# Altium PCB RYA_KiteUp_RC.PcbDoc (continued)
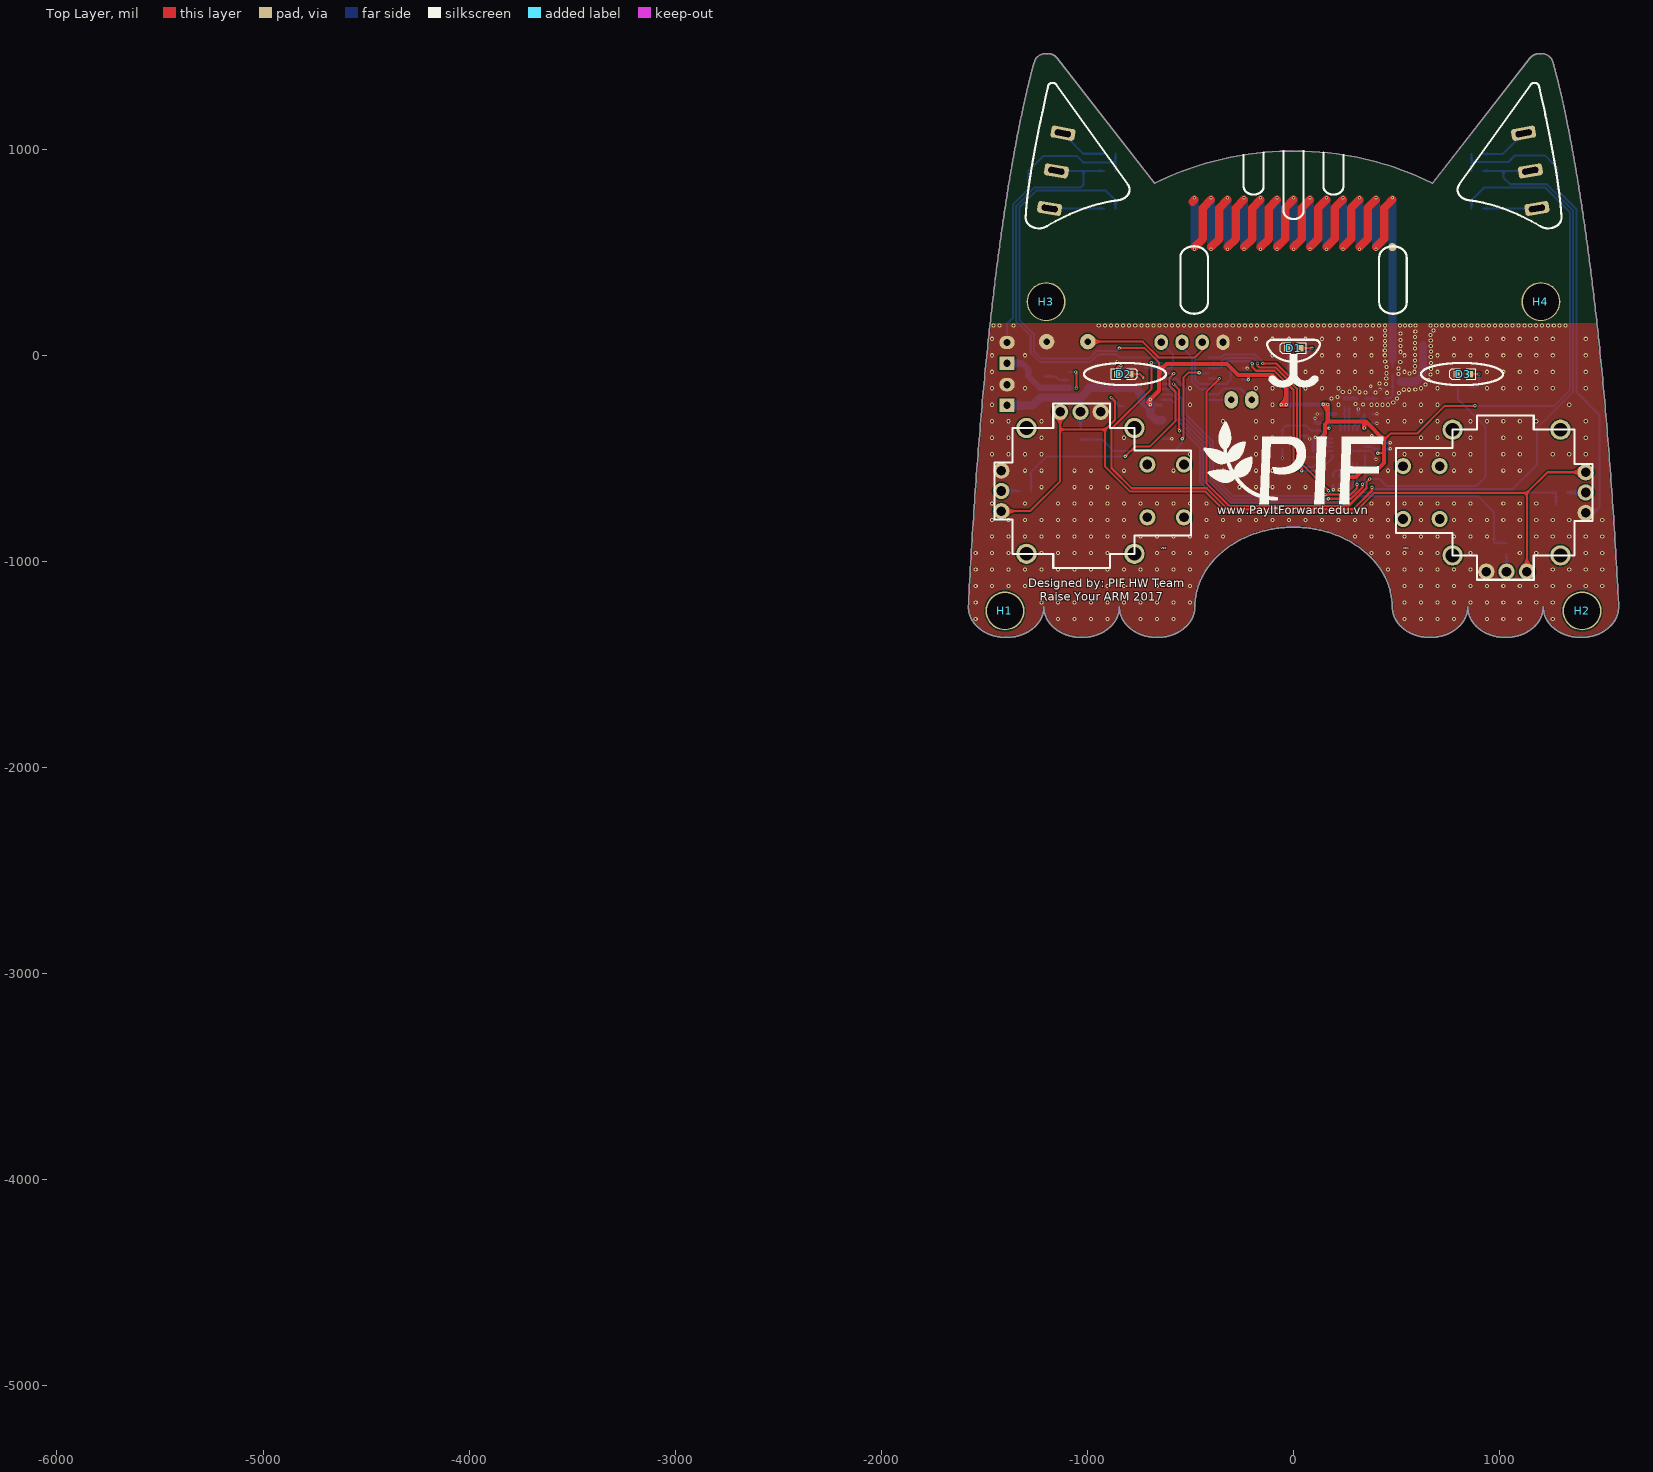
[diagram p0: Top Layer view]
## Part data (continued)
C13 C14 C15 C16 C17 C18 C19: library part 100nF-16V-C0402, "CAP CER 0.1UF 16V Y5V 0402", Capacitance=0.10µF, Digi-Key Part Number=311-1047-2-ND, Manufacturer=Yageo, Manufacturer Part Number=CC0402ZRY5V7BB104, Operating Temperature="-30°C ~ 85°C", Package / Case=0402, Ratings=-, Supplier Part Number 1=311-1047-6-ND, Temperature Coefficient="Y5V (F)", Tolerance="-20%, +80%", Voltage - Rated=16V, Applications="General Purpose", Category=Capacitors, ComponentLink1Description=http://www.yageo.com/documents/recent/UPY-GPHC_Y5V_6.3V-to-50V_6.pdf, ComponentLink1URL=http://www.yageo.com/documents/recent/UPY-GPHC_Y5V_6.3V-to-50V_6.pdf, Features=-, Height - Seated (Max)=-, Lead Spacing=-, Lead Style=-, Mounting Type="Surface Mount, MLCC", Packaging=Digi-Reel®, Pricing 1="1=0.1, 10=0.013, 25=0.0092, 100=0.0059, 250=0.0048, 500=0.00412, 1000=0.00321, 2500=0.00289, 5000=0.00268 (USD)", RoHS="RoHS Compliant", Size / Dimension="0.039\" L x 0.020\" W (1.00mm x 0.50mm)", Stock 1=1728820, Supplier 1=Digi-Key, Thickness (Max)="0.022\" (0.55mm)", Unit Price=0.0021
C20 C21: library part 10pF-50V-C0402-5%, "CAP CER 10PF 50V NPO 0402", Digi-Key Part Number=311-1014-1-ND, Manufacturer=Yageo, Manufacturer Part Number=CC0402JRNPO9BN100, Unit Price=0.00312
HD1: library part Hed3, "Header 3 (Green)"
L1: library part "Ferrite bead SMD-0805", "EMI Ferrite Chip Bead,  0805,  500MA,  600Ohms @100MHz,  DCR Max 0.30Ohm", Manufacturer="Laird Technologies", Manufacturer Part Number=HZ0805E601R-10, ComponentLink1Description=http://www.alliedelec.com/m/d/63159f83fbe70e1160794b0cc8ac128f.pdf, ComponentLink1URL=http://www.alliedelec.com/m/d/63159f83fbe70e1160794b0cc8ac128f.pdf, ComponentLink2Description=http://www.alliedelec.com/laird-technologies-hz0805e601r-10/70065489/, ComponentLink2URL=http://www.alliedelec.com/laird-technologies-hz0805e601r-10/70065489/, Pricing 1="1=0.0460, 25=0.0420, 100=0.0380, 250=0.0350, 500=0.0270 (USD)", RoHS=No, Stock 1=35030, Supplier 1=Allied
L2 L4 L5 L5_1: library part 8.2nH-500mA-0402, "FIXED IND 27NH 300MA 460 MOHM", Current - Saturation=-, Current Rating=300mA, DC Resistance (DCR)="460 mOhm Max", Frequency - Self Resonant=1.7GHz, Frequency - Test=100MHz, Inductance=27nH, Manufacturer="Murata Electronics North America", Manufacturer Part Number=LQG15HS27NJ02D, Operating Temperature="-55°C ~ 125°C", Package / Case=0402, Q @ Freq="8 @ 100MHz", Supplier Part Number 1=490-2628-2-ND, Tolerance=±5%, Category="Inductors, Coils, Chokes", ComponentLink1Description=http://search.murata.co.jp/Ceramy/image/img/PDF/ENG/L0075S0083LQG15HS.pdf, ComponentLink1URL=http://search.murata.co.jp/Ceramy/image/img/PDF/ENG/L0075S0083LQG15HS.pdf, Height - Seated (Max)="0.022\" (0.55mm)", Material - Core=Air, Mounting Type="Surface Mount", Packaging="Tape & Reel (TR)", Pricing 1="10000=0.01872, 30000=0.01814, 50000=0.01755, 100000=0.01697 (USD)", Ratings=-, RoHS="RoHS Compliant", Shielding=Unshielded, Size / Dimension="0.039\" L x 0.020\" W (1.00mm x 0.50mm)", Stock 1=120000, Supplier 1=Digi-Key, Type=Multilayer
L3: library part 8.2nH-500mA-0402, "FIXED IND 22NH 300MA 420 MOHM", Current - Saturation=-, Current Rating=300mA, DC Resistance (DCR)="420 mOhm Max", Frequency - Self Resonant=1.9GHz, Frequency - Test=100MHz, Inductance=22nH, Manufacturer="Murata Electronics North America", Manufacturer Part Number=LQG15HS22NJ02D, Operating Temperature="-55°C ~ 125°C", Package / Case=0402, Q @ Freq="8 @ 100MHz", Supplier Part Number 1=490-2627-1-ND, Tolerance=±5%, Category="Inductors, Coils, Chokes", ComponentLink1Description=http://search.murata.co.jp/Ceramy/image/img/PDF/ENG/L0075S0083LQG15HS.pdf, ComponentLink1URL=http://search.murata.co.jp/Ceramy/image/img/PDF/ENG/L0075S0083LQG15HS.pdf, Height - Seated (Max)="0.022\" (0.55mm)", Material - Core=Air, Mounting Type="Surface Mount", Packaging="Cut Tape (CT)", Pricing 1="1=0.1, 10=0.059, 25=0.0528, 50=0.0456, 100=0.041, 250=0.03804, 500=0.0351, 750=0.03335, 1000=0.03042 (USD)", Ratings=-, RoHS="RoHS Compliant", Shielding=Unshielded, Size / Dimension="0.039\" L x 0.020\" W (1.00mm x 0.50mm)", Stock 1=250711, Supplier 1=Digi-Key, Type=Multilayer
P2: "Header, 4-Pin", LatestRevisionDate=17-Jul-2002, LatestRevisionNote="Re-released for DXP Platform.", Publisher="Altium Limited"
P3 P4: "Header, 2-Pin", LatestRevisionDate=17-Jul-2002, LatestRevisionNote="Re-released for DXP Platform.", Publisher="Altium Limited"
R1 R2 R3 R4 R5 R9 R10 R11 R12 R13 R14 R15: "Resistor"
R8: library part 56k-1%-R0402, "RES 56.0K OHM 1/16W 1% 0402 SMD", Digi-Key Part Number=311-56.0KLRTR-ND, Manufacturer=Yageo, Manufacturer Part Number=RC0402FR-0756KL, Unit Price=0.00149
S1: "Switch button 2 pin"
SW1 SW2: library part Header3, "Header IDC, 3 x 1 Pin Vertical 2.54mm Pitch (Non-Boxed, Male)", Manufacturer="W¨¹rth Elektronik eiSos GmbH", partNo=613002143121, ComponentLink1 Description=Manufacturer, ComponentLink1URL=http://www.we-online.com, ComponentLink2 Description=Datasheet, ComponentLink2URL=http://katalog.we-online.de/em/datasheet/6130xx143121.pdf, Created by="Karrer Zheng", Created Date="29 March 2013", NoPins=02
U2: "IC RF TXRX ISM<1GHZ 20-VFQFN", Current - Receiving="14.3mA ~ 17.1mA", Current - Transmitting="12.3mA ~ 34.2mA", Frequency="300MHz ~ 348MHz, 387MHz ~ 464MHz, 779MHz ~ 928MHz", Manufacturer="Texas Instruments", Operating Temperature="-40°C ~ 85°C", Package / Case="20-VFQFN Exposed Pad", Power - Output=12dBm, Supplier Part Number 1=296-35719-2-ND, Voltage - Supply="1.8 V ~ 3.6 V", Category="RF/IF and RFID", ComponentLink1Description=http://www.ti.com/lit/ds/symlink/cc110l.pdf, ComponentLink1URL=http://www.ti.com/lit/ds/symlink/cc110l.pdf, Data Rate (Max)=600kbps, GPIO=-, Manufacturer Part Number=CC110LRGPR, Memory Size=-, Modulation="2FSK, 4FSK, GFSK, MSK, OOK", Packaging="Tape & Reel (TR)", Pricing 1="3000=1.9285, 6000=1.84875, 15000=1.8125 (USD)", Protocol=-, RF Family/Standard="General ISM < 1GHz", RoHS="RoHS Compliant", Sensitivity=-116dBm, Serial Interfaces=SPI, Stock 1=0, Supplier 1=Digi-Key, Type="TxRx Only"
U3: library part Component_1
VR1 VR2: library part VR-D, "Volume control Dual"
X1: library part XT32k, "Crystal 32,768kHz for timer real"
X2: library part CX3225SB26000D0FFFCC, "CRYSTAL 26.0000MHZ 8PF SMD", ESR (Equivalent Series Resistance)="50 Ohm", Frequency=26MHz, Frequency Stability=±15ppm, Frequency Tolerance=±10ppm, Load Capacitance=8pF, Manufacturer="AVX Corp/Kyocera Corp", Operating Mode=Fundamental, Operating Temperature="-20°C ~ 70°C", Package / Case="4-SMD, No Lead (DFN, LCC)", Ratings=-, Supplier Part Number 1=1253-1354-2-ND, Category="Crystals and Oscillators", ComponentLink1Description=http://media.digikey.com/pdf/Data%20Sheets/Optrex%20PDFs/CX3225SByyy00D0FFFCC_Spec.pdf, ComponentLink1URL=http://media.digikey.com/pdf/Data%20Sheets/Optrex%20PDFs/CX3225SByyy00D0FFFCC_Spec.pdf, Height="0.024\" (0.60mm)", Manufacturer Part Number=CX3225SB26000D0FFFCC, Mounting Type="Surface Mount", Packaging="Tape & Reel (TR)", Pricing 1="3000=0.406, 6000=0.392, 15000=0.378 (USD)", RoHS="RoHS Compliant", Size / Dimension="0.126\" L x 0.098\" W (3.20mm x 2.50mm)", Stock 1=3000, Supplier 1=Digi-Key, Type="MHz Crystal"
ANT1: LatestRevisionDate=17-Jul-2002, LatestRevisionNote="Re-released for DXP Platform.", Publisher="Altium Limited"

## Free pads (board coordinates)
  round 0 smd far side: 1(-5920.44,-4674.1) 1(-5920.44,-4634.1) 1(-5919.73,-5078.7) 1(-5919.73,-5038.7) 1(-5905.47,-5052.9) 1(-5905.47,-4659.2) 1(-5888.79,-5148.1) 1(-5888.79,-4711) 1(-5888.76,-5087) 1(-5888.76,-5047) 1(-5584.5,-4355.1) 1(-5544.5,-4355.1) 1(-5504.5,-4355.1) 1(-5504.3,-5178.91) 1(-5504.3,-4309.1) 1(-5504.2,-5175.35) 1(-5469.2,-4308.7) 1(-5464.2,-5175.35) 1(-5429.2,-4308.7) 1(-5413.6,-4996) 1(-5413.6,-4957.6) 1(-5409,-4889.5) 1(-5373.6,-4996) 1(-5373.6,-4957.6) 1(-5369,-4889.5) 1(-5321.1,-4779.8) 1(-5319.2,-5028.9) 1(-5319.2,-5009.2) 1(-5319.2,-4989.5) 1(-5319.2,-4969.8) 1(-5319.2,-4950.1) 1(-5304.3,-4669.5) 1(-5294,-4859.1) 1(-5294,-4819.1) 1(-5281.1,-4779.8) 1(-5277.9,-4908.8) 1(-5264.3,-4669.5) 1(-5258.2,-4908.8) 1(-5246,-4787.3) 1(-5246,-4747.3) 1(-5238.5,-4908.8) 1(-5229.1,-4633.1) 1(-5229.1,-4593.1) 1(-5228.8,-4709.2) 1(-5228.8,-4669.2) 1(-5218.8,-4908.8) 1(-5218.7,-5164.2) 1(-5218.7,-5124.2) 1(-5211.3,-4787.3) 1(-5211.3,-4747.3) 1(-5199.1,-4908.8) 1(-5192.7,-4593.1) 1(-5180.5,-5164) 1(-5180.5,-5124) 1(-5175.9,-4780) 1(-5161.4,-4859.1) 1(-5161.4,-4819.1) 1(-5152.7,-4593.1) 1(-5135.9,-4780) 1(-5100,-4780.1) 1(-5100,-4740.1) 1(-5097.1,-4970) 1(-5057.1,-4970)

## Via types
v1: diameter 20, hole 10, Top Layer to Bottom Layer, tented both sides, 476 vias
v2: diameter 16, hole 8, Top Layer to Bottom Layer, tented both sides, 85 vias

## Nets (pads, with @x,y where several pads share a name; then routed paths per layer and width w, separated by ;. In a path a pad name is that pad's centre, name@x,y a point inside that pad or via, vN(x,y) a via of type N, cw(c..) or ccw(c..) an arc to the next point about the centre after c; other vN are vias at no path point)
5V: C23.2 C30.2 P3.1 U3.1 U3.3 | length 521.8
  Top Layer w10: v2(-1057,-81) -1053,-85 v2(-1053,-161)
  Bottom Layer w10: U3.3 -1087.4,-81 v2(-1057,-81) ; U3.1@-1088.84,-157.56 -1085.4,-161 v2(-1053,-161)
  Bottom Layer w31.5: P3.1 -1316,-39 -1287,-68 -1287,-102 -1231.44,-157.56 C30.2 C23.2 U3.1@-1088.84,-157.56
GND: C1.2 C2.1 C3.1 C4.1 C5.1 C6.1 C9.1 C10.2 C11.1 C12.2 C13.1 C14.2 C15.2 C16.2 C17.2 C18.2 C19.1 C20.1 C21.1 C22.1 C23.1 C24.1 C25.1 C26.1 C30.1 C31.1 D1.2 D2.2 D3.2 HD1.2 HD1.3 L5_1.1 P2.4 P3.2 P4.2 R8.1 R11.1 R14.1 S1.2 U1.20 U2.16 U2.19 U2.21 U3.2 VR1.3 VR1.6 VR2.3 VR2.6 X2.2 X2.4 | length 4722.8
  Top Layer w10: D2.2 -745,-91 -726,-110 v2(-725,-110)
  Bottom Layer w10: P3.2 -1390,153 -1362,181 -1362,730.63 -1285,807.63 -1285,896 -1213,968 -1052,968 -1020,936 -863.88,936 ; C30.1 C23.1 -1137.44,-120 U3.2 ; C24.1 -865.44,-30 v2(-856,-30) ; C26.1 -863.88,936 ; R14.1 -863.88,936 ; C1.2 v2(-590,-405) ; C10.2 v2(-225,-62) ; v2(-53.61,-498.61) X2.4 ; U2.21 288.13,-463.5 U2.19 372.5,-463.5 390,-481 390,-495 v2(400,-505) ; U2.16 373.55,-404.45 380,-398 v2(380,-390) ; C9.1 375,-167.31 v2(375,-150) ; v2(420,-164) C11.1 ; C25.1 863.88,938 ; R11.1 863.88,938 ; VR1.6 1456.62,-764.38 1485,-736 1485,-290 1373,-178 1373,708.63 1281,800.63 1281,909 1220,970 1075,970 1043,938 863.88,938
  Bottom Layer w15: X2.2 68,-392 79,-403 v2(79,-406) ; C21.1 C14.2 95.76,-408.24 v2(106,-398) ; C20.1 v2(104,-305) ; C20.1@106.68,-329 C15.2 ; v2(115,-285) C6.1 ; v2(193,-652) C19.1 ; v2(222,-652) C13.1 ; C12.2 v2(313.69,-260.31) ; C17.2 v2(405,-329) ; C16.2 v2(405,-284) ; R8.1 v2(469.99,-423.99) ; C18.2 v2(470,-454)
  other v1: -1542,-1280 -1142,-1280 -1062,-1280 -982,-1280 -902,-1280 -742,-1280 -662,-1280 -582,-1280 538,-1280 618,-1280 698,-1280 778,-1280 938,-1280 1018,-1280 1098,-1280 1258,-1280 -1542,-1200 -1222,-1200 -1142,-1200 -1062,-1200 -982,-1200 -902,-1200 -822,-1200 -742,-1200 -662,-1200 -582,-1200 -502,-1200 538,-1200 618,-1200 698,-1200 778,-1200 858,-1200 938,-1200 1018,-1200 1098,-1200 1178,-1200 1258,-1200 -1542,-1120 -1462,-1120 -1382,-1120 -1302,-1120 -1222,-1120 -1142,-1120 -1062,-1120 -982,-1120 -902,-1120 -822,-1120 -742,-1120 -662,-1120 -582,-1120 -502,-1120 538,-1120 618,-1120 698,-1120 778,-1120 858,-1120 938,-1120 1018,-1120 1098,-1120 1178,-1120 1258,-1120 1338,-1120 1418,-1120 1498,-1120 -1542,-1040 -1462,-1040 -1382,-1040 -1302,-1040 -1222,-1040 -1142,-1040 -1062,-1040 -982,-1040 -902,-1040 -822,-1040 -742,-1040 -662,-1040 -582,-1040 -502,-1040 458,-1040 538,-1040 618,-1040 698,-1040 778,-1040 858,-1040 1258,-1040 1338,-1040 1418,-1040 1498,-1040 -1542,-960 -1462,-960 -1382,-960 -1222,-960 -1142,-960 -1062,-960 -982,-960 -902,-960 -662,-960 -582,-960 -502,-960 -422,-960 378,-960 458,-960 538,-960 618,-960 698,-960 858,-960 1098,-960 1178,-960 1418,-960 1498,-960 -1462,-880 -1382,-880 -1302,-880 -1222,-880 -1142,-880 -1062,-880 -982,-880 -902,-880 -822,-880 -742,-880 -662,-880 -582,-880 -502,-880 -422,-880 -342,-880 298,-880 378,-880 458,-880 538,-880 618,-880 698,-880 778,-880 858,-880 938,-880 1098,-880 1178,-880 1258,-880 1338,-880 1418,-880 1498,-880 -1462,-800 -1382,-800 -1302,-800 -1222,-800 -1142,-800 -1062,-800 -982,-800 -902,-800 -822,-800 -422,-800 -342,-800 -262,-800 -182,-800 -102,-800 -22,-800 58,-800 138,-800 218,-800 298,-800 378,-800 458,-800 618,-800 778,-800 858,-800 938,-800 1018,-800 1098,-800 1178,-800 1258,-800 1338,-800 1498,-800 -1462,-720 -1302,-720 -1142,-720 -1062,-720 -982,-720 -902,-720 -822,-720 -742,-720 -662,-720 -582,-720 -502,-720 -422,-720 378,-720 458,-720 538,-720 618,-720 698,-720 778,-720 858,-720 1018,-720 1098,-720 1178,-720 -1222,-640 -1062,-640 -982,-640 -902,-640 -262,-640 -182,-640 -102,-640 -22,-640 58,-640 -1302,-560 -1222,-560 -1062,-560 -982,-560 -822,-560 -582,-560 -342,-560 -182,-560 -102,-560 -22,-560 458,-560 618,-560 778,-560 858,-560 1018,-560 1098,-560 -1462,-480 -1382,-480 -1302,-480 -1222,-480 -502,-480 -342,-480 -182,-480 538,-480 618,-480 698,-480 778,-480 858,-480 1018,-480 1098,-480 1258,-480 1338,-480 1418,-480 -1462,-400 -1382,-400 -1222,-400 -822,-400 -342,-400 -182,-400 -102,-400 618,-400 698,-400 858,-400 1018,-400 1098,-400 1418,-400 -1462,-320 -1382,-320 -1222,-320 -342,-320 -182,-320 -102,-320 458,-320 538,-320 618,-320 698,-320 858,-320 938,-320 1018,-320 1098,-320 1178,-320 1418,-320 -1462,-240 -502,-240 -102,-240 218,-240 378,-240 406,-240 432,-240 458,-240 538,-240 618,-240 698,-240 1338,-240 337,-238 300,-237 484,-229 184,-210 502,-209 213,-202 511,-183 453,-182 397,-181 349,-180 320,-179 239,-178 271,-177 535,-167 561,-167 591,-166 -1462,-160 -1302,-160 -502,-160 -182,-160 -102,-160 58,-160 138,-160 218,-160 298,-160 618,-160 698,-160 938,-160 1018,-160 1098,-160 1178,-160 1258,-160 1418,-160 640,-141 449,-139 417,-137 655,-120 450,-113 665,-94 510,-91 563,-88 451,-87 -1462,-80 58,-80 138,-80 218,-80 298,-80 378,-80 538,-80 587,-80 698,-80 938,-80 1018,-80 1098,-80 1178,-80 1258,-80 1418,-80 667,-66 509,-64 451,-57 590,-53 667,-37 518,-33 445,-30 590,-25 666,-8 -1462,0 -1302,0 -102,0 138,0 218,0 298,0 378,0 443,0 538,0 698,0 778,0 858,0 938,0 1018,0 1098,0 1178,0 1258,0 1418,0 590,2 519,17 667,19 443,24 589,33 666,45 519,46 444,48 589,60 444,70 666,71 519,75 -1462,80 -262,80 -182,80 -102,80 -22,80 58,80 138,80 218,80 298,80 378,80 778,80 858,80 938,80 1018,80 1098,80 1178,80 1258,80 1418,80 590,89 444,96 664,99 519,106 591,116 444,121 679,121 516,144 541.33,144 566.67,144 592,144 -1456,145 -1427,145 -1359,145 -945,145 -915.45,145 -885.89,145 -856.34,145 -826.79,145 -797.23,145 -767.68,145 -738.13,145 -708.58,145 -679.02,145 -649.47,145 -619.92,145 -590.36,145 -560.81,145 -531.26,145 -501.7,145 -472.15,145 -442.6,145 -413.04,145 -383.49,145 -353.94,145 -324.38,145 -294.83,145 -265.28,145 -235.73,145 -206.17,145 -176.62,145 -147.07,145 -117.51,145 -87.96,145 -58.41,145 -28.85,145 0.7,145 30.25,145 59.81,145 89.36,145 118.91,145 148.46,145 178.02,145 207.57,145 237.12,145 266.68,145 296.23,145 325.78,145 355.34,145 384.89,145 414.44,145 444,145 664,145 692.52,145 721.04,145 749.57,145 778.09,145 806.61,145 835.13,145 863.65,145 892.17,145 920.7,145 949.22,145 977.74,145 1006.26,145 1034.78,145 1063.3,145 1091.83,145 1120.35,145 1148.87,145 1177.39,145 1205.91,145 1234.43,145 1262.96,145 1291.48,145 1320,145
NetC2_2: C2.2 R3.2 U1.2 | length 2349.5
  Bottom Layer w10: U1.2 -593.43,-215.57 -572,-237 -572,-306.63 -438,-440.63 -438,-605.63 -312.63,-731 216.63,-731 281.63,-666 R3.2 C2.2
NetC3_2: C3.2 R1.1 U1.5 | length 2344.3
  Top Layer w10: v2(-582,-139) -556,-165 -556,-363 v2(-553,-366)
  Bottom Layer w10: U1.5 -582.2,-138.8 v2(-582,-139) ; v2(-553,-366) -535.25,-366 -454,-447.25 -454,-612.25 -319.25,-747 223.25,-747 288.25,-682 894,-682 973,-761 C3.2 R1.1
NetC4_2: C4.2 R4.2 U1.7 | length 1203
  Top Layer w10: v2(-816,-490) -769,-443 -697,-443 -572,-318 -572,-178 -601,-149 -601,-108 v2(-581,-88)
  Bottom Layer w10: R4.2 C4.2 -1274.44,-567.44 -1197,-490 v2(-816,-490) ; U1.7 -636.82,-88 v2(-581,-88)
NetC5_2: C5.2 R2.1 U1.14 | length 986.1
  Top Layer w10: v2(-540,-405) -534,-399 -534,-108 -510,-84 v2(-458,-84)
  Bottom Layer w10: R2.1 C5.2 -928.44,-408.56 -872,-465 -580,-465 -540,-425 v2(-540,-405) ; v2(-458,-84) -454.39,-87.61 U1.14
NetC6_2: C6.2 L2.1 | length 30.6
  Bottom Layer w20: C6.2 L2.1
NetC7_1: C7.1 L2.2 U2.12 | length 123
  Bottom Layer w9.45: L2.2 L2.2@247.76,-285 ; C7.1 248.76,-251.34 U2.12
NetC7_2: C7.2 L3.2 L5.1 | length 58.5
  Bottom Layer w20: C7.2 L3.2
NetC8_1: C8.1 C9_1.2 C11.2 L4.1 | length 143.6
  Bottom Layer w10: L4.1 460,-209 ccw(c460,-188) 481,-188 C9_1.2@481,-93.69
NetC9_2: C9.2 L3.1 L4.2 | length 60.6
  Bottom Layer w9.45: L3.1 L4.2
NetC10_1: C10.1 P2.3 R5.1 S1.1 U1.16 | length 1080.3
  Top Layer w10: S1.1 -731,66 -655,-10 -478,-10 -443,25 P2.3
  Bottom Layer w10: P2.3 -443,25 -477,-9 -477,-120 -458.2,-138.8 U1.16 -325.91,-138.8 R5.1 C10.1
NetC12_1: C12.1 L5.2 U2.13 | length 117.8
  Bottom Layer w10: U2.13 L5.2@268.45,-252.18 ; C12.1@269.45,-285 C12.1
NetC19_2: C19.2 U2.5 | length 92.5
  Bottom Layer w10: C19.2 193,-572 205,-560 220,-560 229.08,-550.92 U2.5
NetC20_2: C20.2 U2.10 X2.1 | length 311.1
  Bottom Layer w10: X2.1 -53.61,-358.61 -35,-340 60,-340 85.69,-365.69 C20.2 132.69,-365.69 171.45,-404.45 U2.10
NetC21_2: C21.2 U2.8 X2.3 | length 224.9
  Bottom Layer w8: X2.3 33,-487 41,-495 123,-495 135.13,-482.87 C21.2 154.31,-443.82 U2.8
NetC24_2: C24.2 U3.4 | length 70.1
  Bottom Layer w10: U3.4 -962.85,-47 C24.2
NetC25_2: C25.2 SW1.2 U1.9 | length 4872.5
  Top Layer w10: v2(-690,-35) -690,-164 -883,-357 -883,-547 -785,-645 -421,-645 -319,-747 290,-747 381,-656 v2(381,-640)
  Bottom Layer w10: v2(-690,-35) -688.57,-36.43 U1.9 ; v2(381,-640) 391,-650 1062,-650 1182,-530 1182,-351 1357,-176 1357,702 1229,830 1051,830 1019,862 1019,895 ; C25.2 1019,895 ; SW1.2 1019,895
NetC26_2: C26.2 SW2.2 U1.10 | length 2089
  Bottom Layer w10: SW2.2 -1019,895 ; C26.2 -1019,895 ; U1.10 -842.16,-10.84 -858,5 -948,5 -985,-32 -1231,-32 -1275,12 -1275,95 -1346,166 -1346,724 -1255,815 -1031,815 -1019,827 -1019,895
NetD1_1: D1.1 R9.1 | length 135.4
  Top Layer w10: D1.1 v2(90,35)
  Bottom Layer w10: R9.1 49,-6 v2(90,35)
NetD2_1: D2.1 R12.1 | length 123.4
  Top Layer w10: D2.1 -855.5,-60.5 -845,-50 v2(-837,-50)
  Bottom Layer w10: v2(-837,-50) -837,-58 -833,-62 R12.1
NetD3_1: D3.1 R13.1 | length 147.2
  Top Layer w10: D3.1 v2(900,-91)
  Bottom Layer w10: R13.1 885,-156 900,-141 v2(900,-91)
NetL1_1: L1.1 VR1.1 VR1.4 VR2.1 VR2.4 | length 4230.4
  Top Layer w10: VR2.4 -1278.51,-756.51 -1132.23,-610.23 -1132.23,-360 ; VR2.1 -1132.23,-360 ; v2(-885,-205) -866,-224 -866,-312 -914,-360 ; VR1.1 1132.23,-667.77 ; VR1.4 1232.47,-567.53 1132.23,-667.77 ; -1132.23,-360 -914,-360 ; -914,-360 -914,-540 -794,-660 -792.63,-660 -791.63,-661 -427.63,-661 -325.63,-763 296.63,-763 391.86,-667.77 1132.23,-667.77
  Bottom Layer w10: v2(-885,-205) -843,-247 L1.1
NetP2_1: P2.1 R12.2 U1.8 | length 278
  Bottom Layer w10: R12.2 U1.8 -597.02,-62.02 -585,-50 -585,6 P2.1
NetP2_2: P2.2 U1.17 | length 281.6
  Bottom Layer w10: P2.2@-541,39 -493,-9 -493,-127 -455.61,-164.39 U1.17
NetR1_2: R1.2 VR1.2 | length 84.6
  Bottom Layer w10: VR1.2@1034,-1049.61 R1.2
NetR2_2: R2.2 VR2.2 | length 79
  Bottom Layer w10: R2.2 VR2.2@-1034,-274.43
NetR3_1: R3.1 VR1.5 | length 89.1
  Bottom Layer w15: R3.1 VR1.5@1417.61,-666
NetR4_1: R4.1 VR2.5 | length 88
  Bottom Layer w10: VR2.5@-1417.57,-658 R4.1
NetR8_2: R8.2 U2.17 | length 56
  Bottom Layer w11.02: U2.17 R8.2@403.18,-424.13
NetR10_1: R10.1 SW1.1 | length 261.4
  Bottom Layer w10: R10.1 SW1.1@1180.36,712
NetR11_2: R11.2 SW1.3 | length 239.4
  Bottom Layer w10: R11.2 1016.64,977 SW1.3
NetR13_2: R13.2 U1.15 | length 2580.9
  Top Layer w10: v2(-359,-113) -423,-177 -423,-620.37 -312.37,-731 267,-731 354,-644 354,-616 v2(370,-600)
  Bottom Layer w10: U1.15 -412.59,-113 v2(-359,-113) ; v2(370,-600) 419,-600 453,-634 888,-634 932,-590 932,-348 798.44,-214.44 R13.2
NetR14_2: R14.2 SW2.3 | length 241
  Bottom Layer w10: SW2.3 -1019.64,978 R14.2
NetR15_1: R15.1 SW2.1 | length 263.9
  Bottom Layer w10: SW2.1@-1182.9,713 R15.1
NetU1_3: U1.3 U2.2 | length 1432.4
  Bottom Layer w10: U1.3 -587.02,-189.98 -556,-221 -556,-300 -422,-434 -422,-599 -306,-715 210,-715 288.13,-636.87 U2.2
NetU1_4: U1.4 U2.20 | length 1523.1
  Top Layer w10: v2(168,-696) 279,-696 335,-640 v2(335,-625)
  Bottom Layer w10: U1.4 -589.61,-164.39 -540,-214 -540,-293.37 -406,-427.37 -406,-592.37 -299.37,-699 165,-699 v2(168,-696) ; v2(335,-625) 347.19,-612.81 U2.20
NetU1_6: U1.6 U2.1 | length 1491.6
  Top Layer w10: v2(153,-676) 276.37,-676 308,-644.37 v2(308,-625)
  Bottom Layer w10: U1.6 -569.8,-113.2 -524,-159 -524,-286.75 -390,-420.75 -390,-585.75 -292.75,-683 137,-683 144,-676 v2(153,-676) ; U2.1 307.82,-624.82 v2(308,-625) v2@308,-626
NetU1_11: U1.11 U2.3 | length 1312.6
  Top Layer w10: v2(-150,-40) -83,-40 32,-155 32,-519 v2(170,-657)
  Bottom Layer w10: U1.11 -351.1,-10.84 -337.25,3 -184.37,3 -150,-31.37 v2(-150,-40) ; v2(170,-657) 186,-673 229,-673 268.45,-633.55 U2.3
NetU1_12: U1.12 U2.6 | length 1111.3
  Top Layer w10: v2(-175,-40) -175,-50 -166,-59 -86.63,-59 16,-161.63 16,-526 40,-550 v2(40,-561)
  Bottom Layer w10: U1.12 -354.06,-36.43 -330.63,-13 -191,-13 -175,-29 v2(-175,-40) ; v2(40,-561) 125,-561 189.71,-496.29 U2.6
NetU1_13: U1.13 U2.7 | length 1109.6
  Top Layer w10: v2(-200,-40) -200,-57 -182,-75 -93.25,-75 0,-168.25 0,-532.63 10,-542.63 v2(10,-555)
  Bottom Layer w10: U1.13 -357.02,-62.02 -324,-29 -211,-29 v2(-200,-40) ; v2(10,-555) 23,-542 98,-542 158,-482 158,-470 164.5,-463.5 U2.7
NetU1_18: U1.18 X1.1 | length 245.6
  Bottom Layer w10: U1.18 -365.98,-189.98 -337,-161 -257,-161 X1.1
NetU1_19: U1.19 X1.2 | length 110.4
  Bottom Layer w10: U1.19@-412.36,-216 X1.2
RF_ANT: C8.2 HD1.1 | length 262.1
  Bottom Layer w40: C8.2 574,-128 ccw(c574,-74) 628,-74 HD1.1
RF_ANT_PCB: ANT1.1 C9_1.1 L5_1.2 | length 577.7
  Bottom Layer w10: C9_1.1 L5_1.2@480,-21.31
  Bottom Layer w40: L5_1.2@480,-20.69 ANT1.1
  other v2: -480,515 -400,515 -320,515 -240,515 -160,515 -80,515 0,515 80,515 160,515 240,515 320,515 400,515 -480,765 -400,765 -320,765 -240,765 -160,765 -80,765 0,765 80,765 160,765 240,765 320,765 400,765 480,765
VCC: C1.1 C13.2 C14.1 C15.1 C16.1 C17.1 C18.1 C22.2 C31.2 L1.2 P4.1 R5.2 R9.2 R10.2 R15.2 U1.1 U2.4 U2.9 U2.11 U2.14 U2.15 U2.18 U3.5 | length 8712.1
  Top Layer w10: v2(-845,35) -722.63,35 -652,-35.63 -652,-77 ; v2(-219,-118) -219,-96 ; 152.31,-353.69 v2(172.69,-353.69) ; v2(409.16,-474.84) 439.16,-474.84 ; 440,-410 470,-380 599,-380 734,-245 v2(881,-245)
  Top Layer w20: v2(133,-399) 152,-380 152,-335 166,-321 ; v2(245,-591) 302,-591 338,-555 408,-555 440,-523 440,-410 351,-321 166,-321 ; v2(343.31,-352.69) 343.31,-328.69 ; v2(-695,-215) -706,-226 -706,-229 v2(-695,-240) v2(-695,-215) ; v2(-695,-215) -652,-172 -652,-77 -617,-42 -323,-42 -269,-96 -219,-96 -101.95,-96 -35,-162.95 -35,-215 ; -35,-215 v2(-60,-240) v2(-35,-240) -35,-215 ; 166,-321 166,-260 ; 166,-260 v2(144,-238) 165,-238 v2(166,-239) 166,-260
  Bottom Layer w10: R15.2 -863.88,751.88 -911,799 -1248.37,799 -1330,717.37 -1330,172.63 -1259,101.63 -1259,18.63 -1224.37,-16 -991.63,-16 -954.63,21 -859,21 v2(-845,35) ; v2@-695,-241.16 U1.1 ; R5.2 v2(-219,-118) ; v2(-35,-240) -26,-231 R9.2 ; v2(133,-399) 133,-421.69 C14.1 135.45,-424.13 U2.9 ; v2(172.69,-353.69) C15.1 218,-329 229.08,-340.08 U2.11 ; v2(245,-591) C13.2 222,-581 248.76,-554.24 U2.4 ; U2.14 288.13,-347.76 C16.1@343.31,-292.58 ; U2.15 307.82,-350.18 329,-329 C17.1 C16.1@343.31,-292.58 ; C16.1 C16.1@343.31,-292.58 ; U2.18 377.82,-443.82 388,-454 C18.1 v2(409.16,-474.84) ; R10.2 863.88,751.88 926,814 1222.37,814 1341,695.37 1341,-169.37 1265.37,-245 v2(881,-245)
  Bottom Layer w20: v2(-60,-240) v2(-35,-240) -10,-240 -8,-238 v2(144,-238) v2@165,-238 ; v2(343.31,-352.69) C17.1
  Bottom Layer w40: P4.1 -1266,-243 -1228,-205 -1030,-205 -994.51,-169.51 ; v2(-695,-215) v2(-695,-240) -695,-241.16 -695,-258 ; C1.1 -666,-315 -695,-286 -695,-258 ; -994.51,-169.51 U3.5@-982.4,-157.4 ; -994.51,-169.51 U3.5 U3.5@-982.4,-157.4 ; U3.5@-982.4,-157.4 -842.4,-157.4 L1.2@-842,-157 ; U3.5@-982.4,-157.4 -982,-157 L1.2@-842,-157 ; L1.2@-842,-157 L1.2 -770,-157 -737,-190 -737,-216 -695,-258
pads on no net: H1.1 H2.1 H3.1 H4.1 VR1. VR2. X1.3

## Polygon pours and split planes (outlines as drawn)
GND on Bottom Layer "Bot-Gnd" (solid, remove dead copper, pour order 60): 1782 vertices, not listed, extent -1577.37,-1369 1577.89,1464.27
GND on Top Layer "Top -Gnd" (solid, remove dead copper, pour order 59): 1782 vertices, not listed, extent -1577.37,-1369 1577.89,1464.27

## Keep-outs
Keep-Out Layer:
  drawing of 2333 lines, arcs and shapes, not listed

## Other copper
Top Layer:
  pour cut-out: -1540,155 1505,155 1505,1475 -1540,1475
Bottom Layer:
  pour cut-out: 601.82,55 601.82,155 653.82,155 653.82,55
  pour cut-out: -1540,155 1505,155 1505,1475 -1540,1475

## Silkscreen, mask and mechanical layers (free items; w line width, h text height)
Top Overlay:
  drawing of 8765 lines, arcs and shapes, not listed
  text "www.PayItForward.edu.vn" at -370.1,-786.66 h70
  text "Designed by: PIF.HW Team" at -1287,-1140 h70
  text "Raise Your ARM 2017" at -1232,-1205 h70
Bottom Overlay:
  drawing of 3522 lines, arcs and shapes, not listed
  text "Mèo RC rev1.2-20170919" at -273.9,395.86 h70
  text "Gnd / 5V / Gnd / 3.3V" at -1245,368 h10
  text "www.PayItForward.edu.vn" at -273.9,329.34 h70
  text "www.RaiseYourARM.com" at -273.9,257.86 h70
  text "Gnd RST TEST PWM" at -279,22 h10 r270